# KiCad board PROC099A_PCB.kicad_pcb
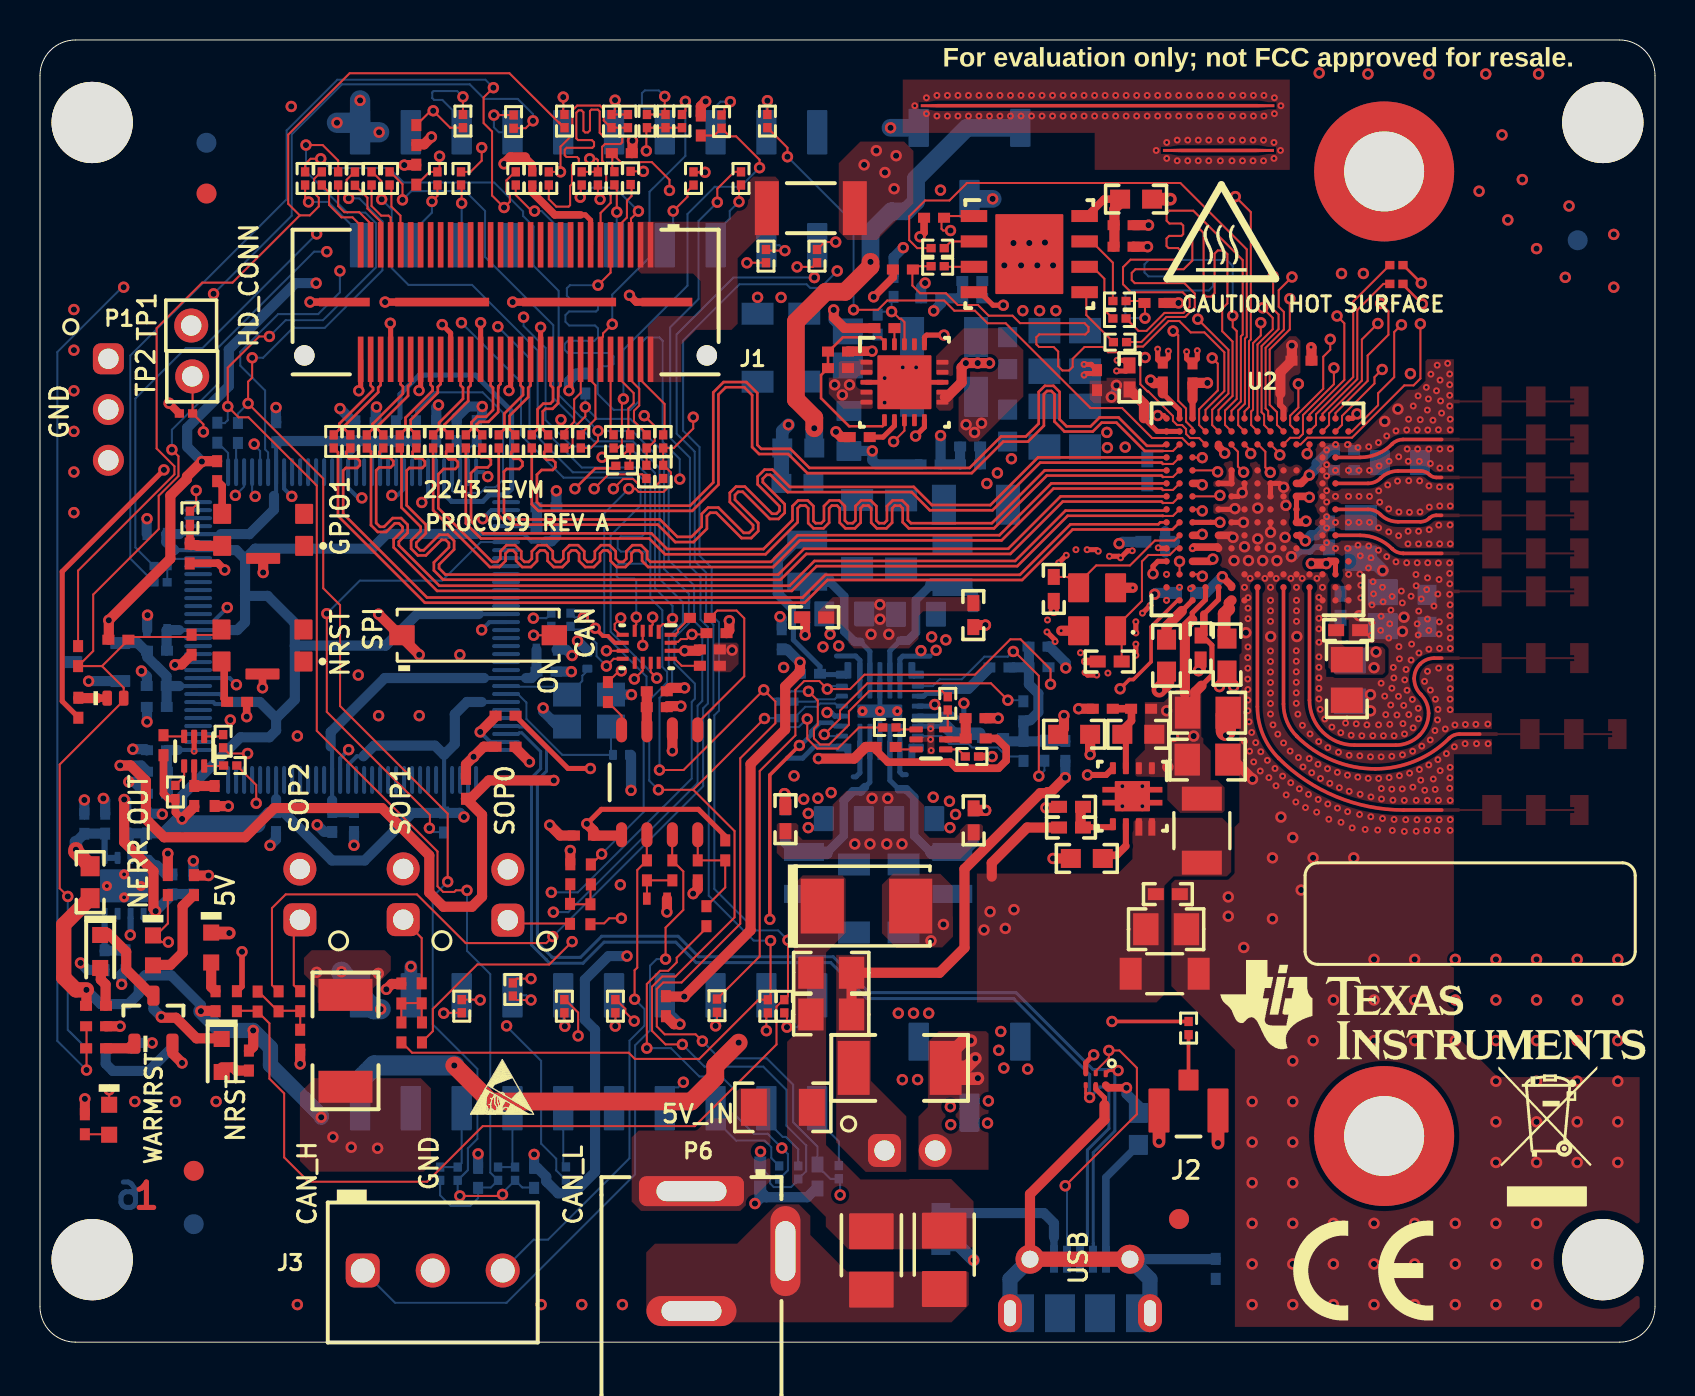
[diagram p0: board, top side]
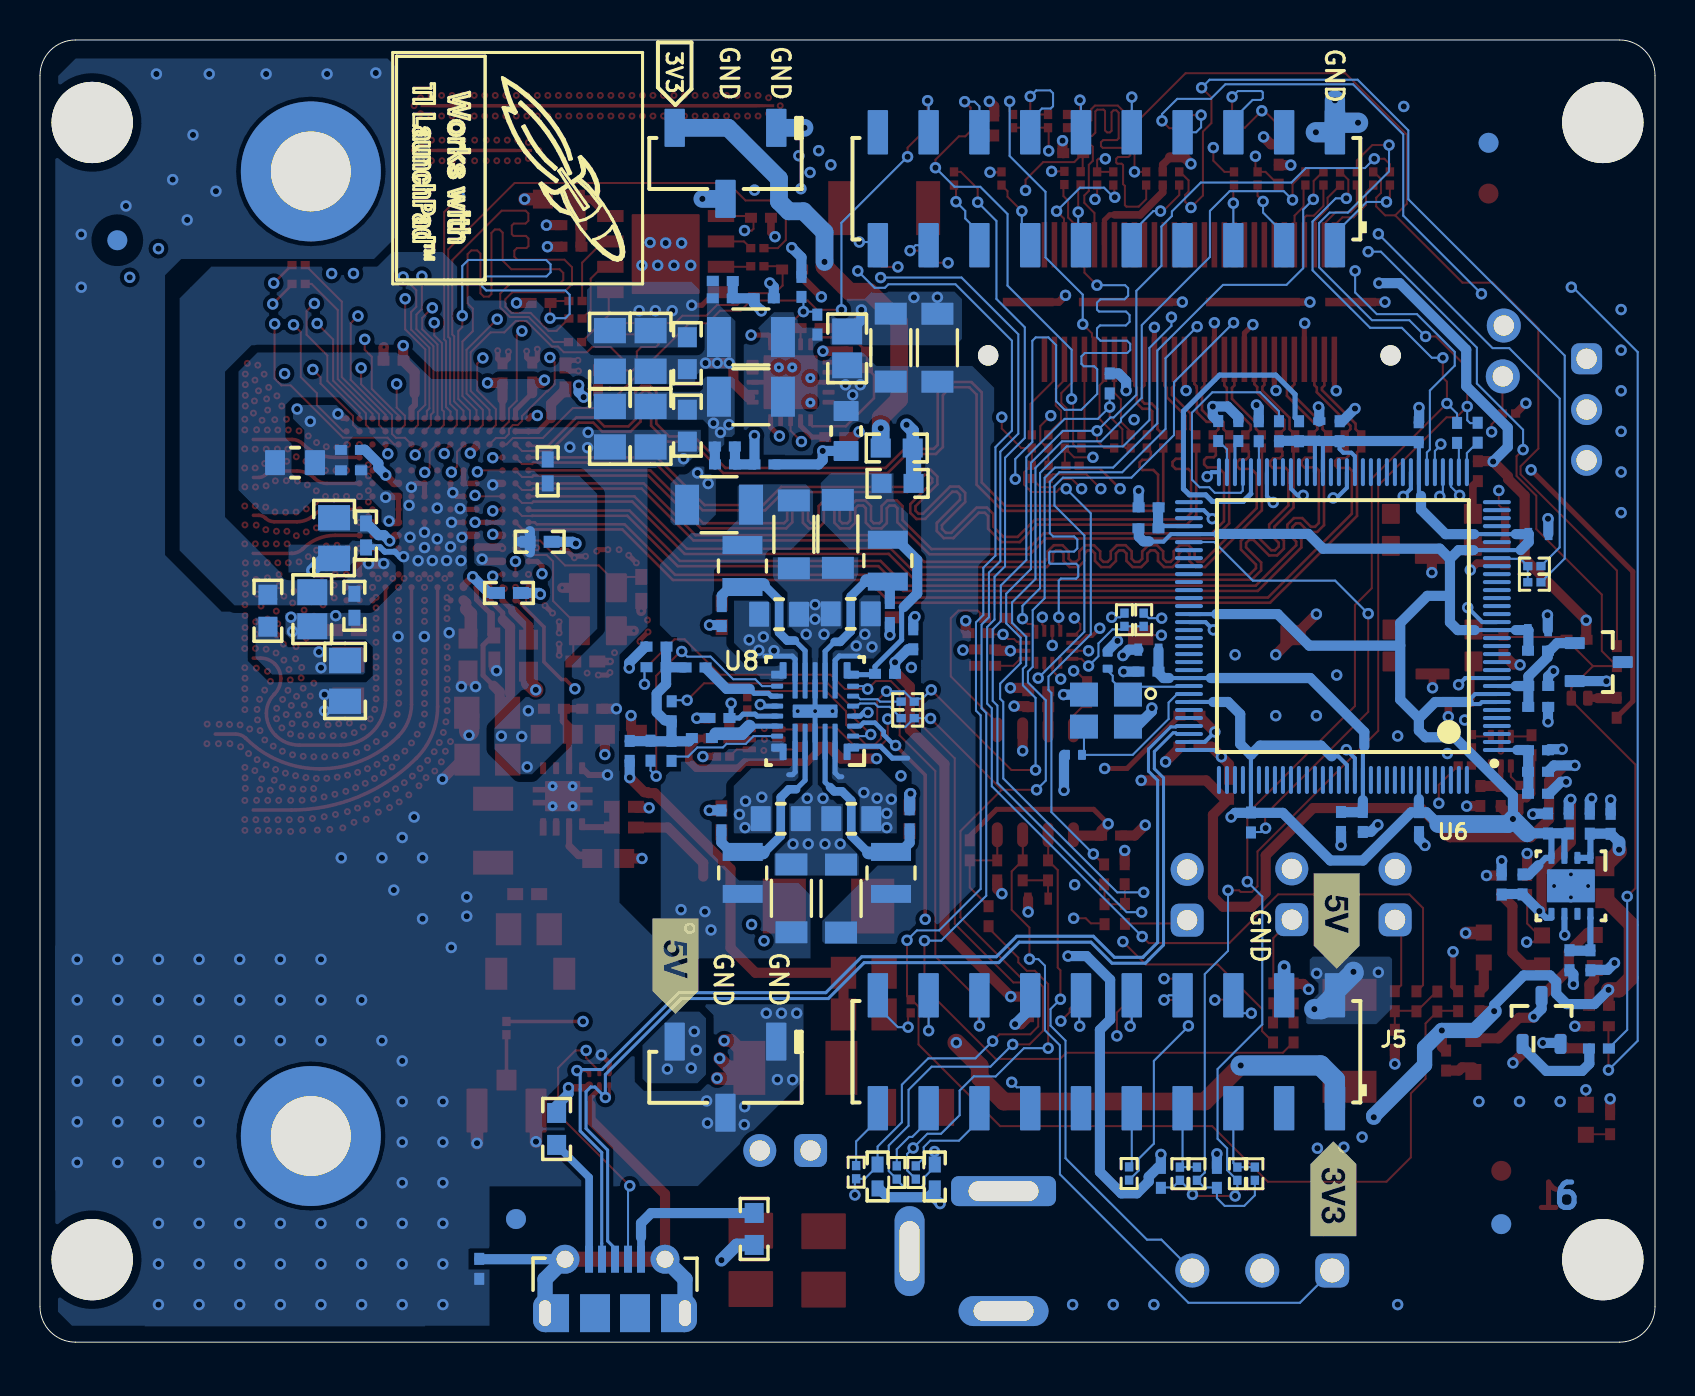
[diagram p1: board, bottom side, seen from below]

Outline 80.77 x 65.15 mm; copper layers: TOP, L2, L3, L4, L5, BOTTOM. Coordinates in mm from the lower left corner of the outline.
Outline path: 0,63.37 arc(0.52,64.63) 1.78,65.15 78.99,65.15 arc(80.25,64.63) 80.77,63.37 80.77,1.78 arc(80.25,0.52) 78.99,0 1.78,0 arc(0.52,0.52) 0,1.78 0,63.37

## Placement (name value [footprint] x y rotation side)
C1  GCM188R71C105KA64D  [0603]  54.82 57.19 180 top
C2  CGA2B3X7R1H104K050BB  [0402L]  54.19 54.81 180 top
C3  GCM155R71C224KE02D  [0402L]  63.09 49.11 0 top
C4  GCM155R71C104KA55D  [0402L]  56.15 48.51 90 top
C5  GCM155R71C224KE02D  [0402L]  57.64 48.47 90 top
C6  GCM155R71C104KA55D  [0402]  54.49 48.27 90 top
C7  GCM155R71C224KE02D  [0402L]  52.87 48.13 90 top
C8  C0603X7S1A104K030BC  [0201_033]  7.3 46.46 180 top
C9  GJM1555C1H4R7BB01D  [0402]  50.7 37.69 270 top
C10  GCM155R71C224KE02D  [0402]  65.42 35.62 0 top
C11  GCM155R71C104KA55D  [0402L]  7.58 34.89 90 top
C12  GCM155R71C224KE02D  [0402]  58.05 34.75 270 top
C13  GCM188R71C105KA64D  [0603]  59.36 34.4 270 top
C14  GCM188R71C105KA64D  [0603]  56.34 34.35 270 top
C15  GJM1555C1H4R7BB01D  [0402]  53.5 34.05 0 top
C16  C0402C104K8RACTU  [0402L]  30.85 32.57 180 top
C17  GCM21BR71A106KE22L  [0805_HV]  58.41 31.49 0 top
C18  GCM188R71C474KA55D  [0603]  54.93 30.41 180 top
C19  GCM21BR71A106KE22L  [0805_HV]  58.39 29.15 0 top
C20  C0402C104K8RACTU  [0402L]  27.2 25.35 0 top
C21  CGA2B3X7R1H104K050BB  [0402]  56.41 22.42 0 top
C22  GCM188R71C474KA55D  [0603]  52.35 24.2 180 top
C23  GCM21BR71A106KE22L  [0805_HV]  56.32 20.66 0 top
C24  GCM155R71H472KA37D  [0402S]  30.86 22.19 180 top
C25  CGA5L1X7R0J226M160AC  [1206_180]  56.25 18.43 0 top
C26  T491B476K010AT  [3528-21]  45.22 4.12 270 top
C27  T491B476K010AT  [3528-21]  41.58 4.09 270 top
C28  CGA2B3X8R1H103K050BB  [0402L]  46.62 53.09 0 bottom
C29  CGA2B3X8R1H103K050BB  [0402L]  41 45.28 0 top
C30  CGA5L1X7R0J226M160AC  [1206_180]  38.22 49.76 270 bottom
C31  CGA5L1X7R0J226M160AC  [1206_180]  35.89 49.75 270 bottom
C32  GCM21BR71A106KE22L  [0805]  40.4 49.72 270 bottom
C33  GCM188R71C105KA64D  [0603]  48.4 49.48 270 bottom
C34  GCM21BR71A106KE22L  [0805_HV]  50.23 49.59 270 bottom
C35  GCM21BR71A106KE22L  [0805_HV]  52.27 49.59 270 bottom
C36  GCM188R71C105KA64D  [0603]  48.39 45.86 90 bottom
C37  GCM21BR71A106KE22L  [0805_HV]  52.27 45.8 90 bottom
C38  GCM21BR71A106KE22L  [0805_HV]  50.23 45.8 90 bottom
C39  GCM155R71C224KE02D  [0402L]  65.22 44.64 0 bottom
C40  GCM21BR71A106KE22L  [0805_HV1]  40.45 45.59 90 bottom
C41  GCM155C71A105KE38D  [0402_070]  16.79 45.58 90 bottom
C42  C0402C104K8RACTU  [0402L]  15.77 45.58 270 bottom
C43  C0402C104K8RACTU  [0402L]  11.82 45.53 270 bottom
C44  CGA2B3X8R1H103K050BB  [0402L]  42.23 50.73 0 top
C45  GCM21BR71A106KE22L  [0805_HV1]  68.01 44.01 180 bottom
C46  CGA2B3X8R1H103K050BB  [0402L]  46.51 43.92 0 bottom
C47  GCM155R71C224KE02D  [0402L]  65.22 43.62 0 bottom
C48  GCM155R71C224KE02D  [0402]  55.38 43.57 90 bottom
C49  C0402C104K8RACTU  [0402L]  25.33 41.77 180 bottom
C50  C0402C103K4RACTU  [0402S]  5.83 40.43 180 bottom
C51  GCM155R71C224KE02D  [0402]  64.47 40.36 270 bottom
C52  GCM21BR71A106KE22L  [0805_HV]  66.06 40.23 270 bottom
C53  GCM155R71C224KE02D  [0402]  55.78 40.04 180 bottom
C54  GCM31CR71A226KE02  [1206_180]  43.07 40.41 90 bottom
C55  GCM31CR71A226KE02  [1206_180]  40.87 40.44 90 bottom
C56  GCM155R71C224KE02D  [0402]  57.32 37.49 180 bottom
C57  GCM155R71C224KE02D  [0402]  65.05 36.84 270 bottom
C58  GCM21BR71A106KE22L  [0805]  67.16 36.67 270 bottom
C59  GCM21BR71A106KE22L  [0805_HV1]  40.22 36.44 180 bottom
C60  GCM21BR71A106KE22L  [0805_HV1]  43.81 36.42 0 bottom
C61  GCM155C71A105KE38D  [0402_070]  5.85 35.63 180 bottom
C62  GCM155C71A105KE38D  [0402_070]  25.33 34.65 0 bottom
C63  GCM1555C1H8R0DA16D  [FP-GCM1555C1H8R0DA16_0402-MFG]  29.06 29.38 0 bottom
C64  C0402C104K8RACTU  [0402L]  25.33 33.55 180 bottom
C65  GCM21BR71A106KE22L  [0805_HV]  65.52 33.08 270 bottom
C66  C0402C103K4RACTU  [0402L]  5.84 32.83 0 bottom
C67  C0402C104K8RACTU  [0402L]  5.84 31.78 0 bottom
C68  GCM155R71C224KE02D  [0402L]  46.79 31.23 180 bottom
C69  C0402C103K4RACTU  [0402L]  5.85 29.62 0 bottom
C70  GCM1555C1H8R0DA16D  [FP-GCM1555C1H8R0DA16_0402-MFG]  27.37 34.1 90 bottom
C71  C0402C104K8RACTU  [0402L]  23.29 29.79 180 top
C72  GCM21BR71A106KE22L  [0805_HV1]  43.72 26.19 0 bottom
C73  GCM21BR71A106KE22L  [0805_HV1]  40.2 26.19 180 bottom
C74  C1005X7S1A225K050BC  [0402_065L]  15.71 26.03 90 bottom
C75  C0402C104K8RACTU  [0402L]  14.62 26.03 90 bottom
C76  C0402C104K8RACTU  [0402L]  11.8 26.02 90 bottom
C77  C1005X7S1A225K050BC  [0402_065L]  5.35 25.95 270 bottom
C78  04025A150FAT2A  [0402L]  4.31 25.95 270 bottom
C79  C0402C104K8RACTU  [0402L]  3.26 25.94 270 bottom
C80  C1005X7S1A225K050BC  [0402_065L]  2.22 25.93 270 bottom
C81  GCM31CR71A226KE02  [1206_180]  40.71 22.2 270 bottom
C82  GCM31CR71A226KE02  [1206_180]  43.19 22.21 270 bottom
C83  GCM21BR71A106KE22L  [0805_HV]  65.36 33.13 270 top
C84  C0402C104K8RACTU  [0402L]  46.79 31.22 180 top
C85  C0402C104K8RACTU  [0402L]  8.73 27.33 270 top
C86  GRM1555C1H391JA01D  [0402]  38.72 36.27 0 top
C87  GRM1555C1H391JA01D  [0402]  46.68 36.38 90 top
C88  GRM1555C1H391JA01D  [0402]  37.28 26.17 270 top
C89  GRM1555C1H391JA01D  [0402]  46.69 26.11 270 top
C90  C0402C104K8RACTU  [0402L]  33.5 34.66 180 top
C91  GCM188R71C105KA64D  [0603]  51.72 30.41 0 top
CAUTION HOT SURFACE1  CAUTION HOT SURFACE  [IEC_HotSurface_Small]  59.08 55.57 0 top
D2  SMS3923-040LF  [SOD-882]  3.77 32.22 0 top
D3  SZP6SMB6.8AT3G  [SMB]  41.34 21.82 0 top
DS1  SML-LX0603SRW-TR  [SML-LX0603SRW_SuperRed]  5.65 19.6 90 top
DS2  SML-LX0603SRW-TR  [SML-LX0603SRW_SuperRed]  8.56 19.74 90 top
DS3  SML-E12Y8WT86  [SML-E1_Yellow]  3.01 19.55 270 top
DS4  SML-E12Y8WT86  [SML-E1_Yellow]  9.09 14.34 270 top
DS5  SML-LX0603SRW-TR  [SML-LX0603SRW_SuperRed]  3.46 11.13 90 top
ESD Susceptible1  ESD Susceptible  [ESD_Overlay_Small]  23.09 12.61 0 top
F1  32V, 5A  [1206]  37.15 11.75 180 top
FB1  BLM21PG300SH1D  [0805_HV]  39.57 16.4 0 top
FB2  BLM21PG300SH1D  [0805_HV]  39.57 18.48 0 top
FID1  Fiducial  [Fiducial10-20]  8.32 60.01 90 bottom
FID2  Fiducial  [Fiducial10-20]  7.69 5.91 90 bottom
FID3  Fiducial  [Fiducial10-20]  76.9 55.13 90 bottom
FID4  Fiducial  [Fiducial10-20]  56.97 6.16 90 top
FID5  Fiducial  [Fiducial10-20]  56.97 6.16 90 bottom
FID6  Fiducial  [Fiducial10-20]  8.33 57.47 90 top
FID7  Fiducial  [Fiducial10-20]  7.69 8.57 90 top
J1  QSH-030-01-L-D-A  [Samtec_QSH-030-01-X-D-A]  23.29 52.04 270 top
J2  128-0711-201  [Johnson_128-0711-201]  57.44 11.59 0 top
J3  OSTTE030161  [On-Shore_OSTTE030161]  19.64 3.59 0 top
J4  SSM-103-S-SV  [Samtec_SSM-103-x-SV]  46.49 58.98 0 bottom
J5  SSM-110-S-DV  [Samtec_SSM-110-x-DV]  27.44 14.53 0 bottom
J6  SSM-110-S-DV  [Samtec_SSM-110-x-DV]  27.44 57.71 0 bottom
J7  SSM-103-S-SV  [Samtec_SSM-103-x-SV]  46.49 13.26 0 bottom
J8  105017-0001  [CONN_105017-0001]  52.01 2.8 180 bottom
L1  DFE252012P-R47M=P2  [DFE252012P]  45.64 38.83 90 bottom
L2  DFE252012P-R47M=P2  [DFE252012P]  38.37 39.1 90 bottom
L3  DFE252012P-R47M=P2  [DFE252012P]  45.63 23.48 270 bottom
L4  DFE252012P-R47M=P2  [DFE252012P]  38.21 23.48 270 bottom
L5  NLCV32T-R10M-EFRD  [NLCV32]  45.22 47.3 0 bottom
L7  NLCV32T-R10M-EFRD  [NLCV32]  58.11 25.59 90 top
L8  NLCV32T-R10M-EFRD  [NLCV32]  45.22 50.29 0 bottom
L9  NLCV32T-R10M-EFRD  [NLCV32]  46.81 41.9 0 bottom
LBL1  Label  [Label_650x200]  71.53 21.44 0 top
Logo1  Texas Instruments  [TI_Stacked_Overlay_Small]  69.67 16.63 0 top
Logo2  FCC disclaimer  [FCC_disclaimer]  60.35 66.56 0 top
Logo3  WEEE logo  [WEEE_Minimum]  75.37 11.17 0 top
LOGO4  CE Mark  [CE_Mark_5mm]  66.18 3.58 0 top
NOREF  -  [unnamed]  67.23 58.57 0 top
NOREF#2  -  [unnamed#2]  78.16 4.13 0 top
NOREF#3  -  [unnamed#2]  2.61 61.02 0 top
NOREF#4  -  [unnamed#2]  78.16 61.02 0 top
NOREF#5  -  [unnamed#3]  67.23 10.31 0 top
NOREF#6  -  [unnamed#2]  2.61 4.13 0 top
P1  TSW-103-07-T-S  [Samtec_TSW-103-07-T-S]  3.42 46.66 270 top
P2  -  [TSW-102-07-G-S]  18.17 22.41 90 top
P3  -  [TSW-102-07-G-S]  13 22.4 90 top
P4  -  [TSW-102-07-G-S]  23.4 22.38 90 top
P5  -  [TSW-102-07-G-S]  43.5 9.59 0 top
P6  PJ-002AH  [CUI_PJ-002AH]  32.58 4.56 270 top
Q1  BSS123  [SOT-23]  5.67 16.14 90 top
Q2  BSS123  [SOT-23]  5.67 16.12 90 bottom
R1  CRCW02010000Z0ED  [0201_Silk]  21.15 61.09 270 top
R2  CRCW02010000Z0ED  [0201_Silk]  26.23 61.09 270 top
R3  CRCW02010000Z0ED  [0201_Silk]  30.36 61.09 270 top
R4  CRCW02010000Z0ED  [0201_Silk]  28.58 61.09 270 top
R5  CRCW02010000Z0ED  [0201_Silk]  29.4 61.09 270 top
R6  CRCW02010000Z0ED  [0201_Silk]  31.29 61.09 270 top
R7  CRCW02010000Z0ED  [0201_Silk]  27.05 45.07 270 top
R8  CRCW02010000Z0ED  [0201_Silk]  36.38 61.09 270 top
R9  CRCW02010000Z0ED  [0201_Silk]  23.69 61.07 270 top
R10  CRCW02010000Z0ED  [0201_Silk]  34.09 61.07 270 top
R11  ERJ-2GE0R00X  [0402L]  33 36.24 0 top
R12  ERJ-2GE0R00X  [0402L]  28.4 32.52 270 top
R13  CRCW040210K0FKED  [0402L]  33.05 60.87 270 top
R14  CRCW040210K0FKED  [0402L]  18.82 60.39 270 top
R15  CRCW040210K0FKED  [0402L]  29.1 59.49 0 top
R16  CRCW040210K0FKED  [0402L]  18.82 58.41 90 top
R17  CRCW02010000Z0ED  [0201_Silk]  29.54 58.25 270 top
R18  CRCW02010000Z0ED  [0201_Silk]  28.73 58.23 270 top
R19  CRCW02010000Z0ED  [0201_Silk]  13.26 58.22 270 top
R20  CRCW02010000Z0ED  [0201_Silk]  14.09 58.22 270 top
R21  CRCW02010000Z0ED  [0201_Silk]  14.91 58.22 270 top
R22  CRCW02010000Z0ED  [0201_Silk]  16.58 58.22 270 top
R23  CRCW02010000Z0ED  [0201_Silk]  17.48 58.22 270 top
R24  CRCW02010000Z0ED  [0201_Silk]  19.88 58.22 270 top
R25  CRCW02010000Z0ED  [0201_Silk]  21.06 58.22 270 top
R26  CRCW02010000Z0ED  [0201_Silk]  23.8 58.22 270 top
R27  CRCW02010000Z0ED  [0201_Silk]  24.62 58.22 270 top
R28  CRCW02010000Z0ED  [0201_Silk]  25.45 58.22 270 top
R29  CRCW02010000Z0ED  [0201_Silk]  27.09 58.22 270 top
R30  CRCW02010000Z0ED  [0201_Silk]  27.9 58.22 270 top
R31  CRCW02010000Z0ED  [0201_Silk]  32.68 58.22 270 top
R32  CRCW02010000Z0ED  [0201_Silk]  35.06 58.22 270 top
R33  CRCW02010000Z0ED  [0201_Silk]  15.75 58.21 270 top
R34  CRCW20100000Z0EF  [2010L]  38.55 56.74 0 top
R35  CRCW02010000Z0ED  [0201_Silk]  36.31 54.34 90 top
R36  CRCW02010000Z0ED  [0201_Silk]  38.86 54.34 90 top
R37  ERJ-2GE0R00X  [0402L]  54.2 55.89 180 top
R38  CRCW040247K5FKED  [0402L]  44.72 56.26 180 top
R39  CRCW020133R2FNED  [0201_Silk]  44.9 54.74 0 top
R40  CRCW020133R2FNED  [0201_Silk]  53.99 52.09 0 top
R41  CRCW040210K0FKED  [0402L]  55.74 51.99 0 top
R42  CRCW020133R2FNED  [0201_Silk]  44.9 53.83 0 top
R43  CRCW040210K0FKED  [0402L]  43.16 53.67 180 top
R44  CRCW020133R2FNED  [0201_Silk]  53.99 51.22 0 top
R45  CRCW020133R2FNED  [0201_Silk]  54.01 50.03 0 top
R46  CRCW040210K0FKED  [0402L]  39.91 48.73 180 top
R47  CRCW040210K0FKED  [0402L]  39.91 49.56 0 top
R48  CRCW02010000Z0ED  [0201_Silk]  14.69 45.07 270 top
R49  CRCW02010000Z0ED  [0201_Silk]  15.52 45.07 270 top
R50  CRCW02010000Z0ED  [0201_Silk]  16.34 45.07 270 top
R51  CRCW02010000Z0ED  [0201_Silk]  17.17 45.07 270 top
R52  CRCW02010000Z0ED  [0201_Silk]  18 45.07 270 top
R53  CRCW02010000Z0ED  [0201_Silk]  18.82 45.07 270 top
R54  CRCW02010000Z0ED  [0201_Silk]  19.66 45.07 270 top
R55  CRCW02010000Z0ED  [0201_Silk]  20.49 45.07 270 top
R56  CRCW02010000Z0ED  [0201_Silk]  21.3 45.07 270 top
R57  CRCW02010000Z0ED  [0201_Silk]  22.12 45.07 270 top
R58  CRCW02010000Z0ED  [0201_Silk]  22.94 45.07 270 top
R59  CRCW02010000Z0ED  [0201_Silk]  23.77 45.07 270 top
R60  CRCW02010000Z0ED  [0201_Silk]  24.59 45.07 270 top
R61  CRCW02010000Z0ED  [0201_Silk]  25.41 45.07 270 top
R62  CRCW02010000Z0ED  [0201_Silk]  26.23 45.07 270 top
R63  CRCW02010000Z0ED  [0201_Silk]  32.11 61.09 270 top
R64  CRCW02010000Z0ED  [0201_Silk]  28.69 45.07 270 top
R65  CRCW02010000Z0ED  [0201_Silk]  29.51 45.07 270 top
R66  CRCW02010000Z0ED  [0201_Silk]  30.34 45.07 270 top
R67  CRCW02010000Z0ED  [0201_Silk]  31.17 45.07 270 top
R68  ERJ-2GEJ101X  [0402L]  8.86 43.58 90 top
R69  CRCW02010000Z0ED  [0201_Silk]  29.13 43.84 180 top
R70  CRCW02010000Z0ED  [0201_Silk]  30.33 43.54 270 top
R71  CRCW02010000Z0ED  [0201_Silk]  31.17 43.54 270 top
R72  CRCW02010000Z0ED  [0201_Silk]  7.5 41.24 90 top
R73  CRCW040210K0FKED  [0402L]  7.49 39.46 90 top
R74  CRCW040210K0FKED  [0402L]  3.92 35.14 180 top
R75  CRCW02010000Z0ED  [0201_Silk]  25.57 36.14 90 bottom
R76  CRCW02010000Z0ED  [0201_Silk]  26.53 36.14 90 bottom
R77  ERJ-2GEJ101X  [0402L]  1.91 34.32 270 top
R78  ERJ-2GE0R00X  [0402L]  30.85 31.77 0 top
R79  ERJ-2GEJ101X  [0402L]  9.86 32.04 180 top
R80  ERJ-2GEJ101X  [0402L]  1.92 31.74 90 top
R81  CRCW040210K0FKED  [0402L]  53.15 31.69 0 top
R82  CRCW040212K7FKED  [0402L]  55.07 31.69 0 top
R83  CRCW040210K0FKED  [0402]  51.56 26.78 0 top
R84  CRCW040210K0FKED  [0402]  51.56 25.75 180 top
R85  CRCW040261R9FKED  [0402L]  31.63 23.6 90 top
R86  CRCW040210K0FKED  [0402L]  32.9 23.6 270 top
R87  CRCW040261R9FKED  [0402L]  30.36 23.6 270 top
R88  CRCW040282K5FKED  [0402L]  26.52 23.41 270 top
R89  CRCW040210K0FKED  [0402L]  27.55 23.4 270 top
R90  ERJ-2GEJ361X  [0402L]  7.7 22.87 90 top
R91  CRCW040210K0FKED  [0402L]  6.39 22.87 90 top
R92  CRCW04027K87FKED  [0402L]  26.51 21.43 270 top
R93  CRCW0402750RFKED  [0402L]  27.53 21.41 270 top
R94  CRCW02010000Z0ED  [0201_Silk]  23.65 17.65 90 top
R95  CRCW04027K87FKED  [0402L]  19.09 17.45 90 top
R96  CRCW040282K5FKED  [0402L]  18.07 17.44 270 top
R97  ERJ-2GE0R00X  [0402L]  9.85 17.06 90 top
R98  CRCW040210K0FKED  [0402L]  10.89 17.04 90 top
R99  CRCW04027K87FKED  [0402L]  13.01 17.06 90 top
R100  ERJ-2GEJ511X  [0402L]  8.78 17.06 270 top
R101  CRCW0402750RFKED  [0402L]  11.93 17.05 90 top
R102  CRCW02010000Z0ED  [0201_Silk]  33.86 16.83 90 top
R103  ERJ-2GEJ511X  [0402L]  2.8 16.83 180 top
R104  CRCW02010000Z0ED  [0201_Silk]  21.09 16.81 90 top
R105  CRCW02010000Z0ED  [0201_Silk]  26.23 16.81 90 top
R106  CRCW02010000Z0ED  [0201_Silk]  28.78 16.81 90 top
R107  ERJ-2GE0R00X  [0402L]  31.31 16.81 90 top
R108  CRCW02010000Z0ED  [0201_Silk]  36.4 16.8 90 top
R109  CRCW02010000Z0ED  [0201_Silk]  37.23 16.8 90 top
R110  CRCW0402100KFKED  [0402L]  2.81 15.81 180 top
R111  CRCW02010000Z0ED  [0201_Silk]  57.44 15.71 270 top
R112  CRCW0402750RFKED  [0402L]  19.1 15.5 270 top
R113  CRCW040210K0FKED  [0402L]  18.08 15.5 90 top
R114  CRCW040282K5FKED  [0402L]  13.01 15.13 90 top
R115  CRCW20100000Z0EF  [2010]  15.28 15.08 270 top
R116  ERJ-2GEJ511X  [0402L]  2.81 14.7 0 top
R117  ERJ-2GEJ511X  [0402L]  10.45 14.09 90 top
R118  CRCW20100000Z0EF  [2010]  42.99 13.72 0 top
R119  ERJ-2GE0R00X  [0402L]  42.69 52.8 270 bottom
R120  ERJ-2GE0R00X  [0402L]  41.89 50.91 270 bottom
R121  CRCW04023K00FKED  [0402L]  44.57 52.23 0 bottom
R122  CRCW04021K96FKED  [0402L]  46.62 52.23 0 bottom
R123  CRCW04021K00FKED  [0402L]  21.84 45.58 90 bottom
R124  CRCW04021K00FKED  [0402L]  18.81 45.58 270 bottom
R125  CRCW040210K0FKED  [0402L]  33.83 35.47 0 top
R126  CRCW04021K00FKED  [0402L]  20.84 45.58 90 bottom
R127  CRCW04021K00FKED  [0402L]  17.8 45.58 270 bottom
R128  ERJ-2GE0R00X  [0402L]  8.87 45.5 270 bottom
R129  ERJ-2GE0R00X  [0402L]  9.9 45.49 270 bottom
R130  MCT06030Z0000ZP500  [0603]  37.92 44.73 180 bottom
R131  CRCW04021K96FKED  [0402L]  46.52 44.81 0 bottom
R132  CRCW04023K00FKED  [0402L]  44.54 43.92 0 bottom
R133  MCT06030Z0000ZP500  [0603]  37.88 42.97 180 bottom
R134  CRCW040249R9FKED  [0402L]  25.33 40.72 0 bottom
R135  CRCW02010000Z0ED  [0201_Silk]  6.03 38.83 0 bottom
R136  CRCW02010000Z0ED  [0201_Silk]  6.03 38.02 0 bottom
R137  MCT06030Z0000ZP500  [0603]  69.38 36.59 270 bottom
R138  CRCW0402100KFKED  [0402L]  37.1 35.17 270 bottom
R139  CRCW04021K96FKED  [0402L]  49.94 34.8 180 bottom
R140  CRCW04021K00FKED  [0402L]  5.85 34.6 0 bottom
R141  ERJ-2GE0R00X  [0402L]  38.51 33.44 180 bottom
R142  ERJ-2RKF4991X  [0402L]  49.94 33.77 180 bottom
R143  CRCW04024K99FKED  [0402L]  47.98 33.76 0 bottom
R144  CRCW02010000Z0ED  [0201_Silk]  37.38 31.22 0 bottom